# Altium PCB SAMA5D27-SOM1-MFG-03.PcbDoc (part 1 of 6)
Units mm, origin at the board's own origin, x right, y up, seen from the top; angles counter-clockwise.
Board outline 40.03 x 38.03 mm, 6 copper layers (TOP, GND, IN2, IN3, PWR, BOTTOM), stack 1.24 mm thick; 188 components, 224 nets, 901 pads, 644 vias.
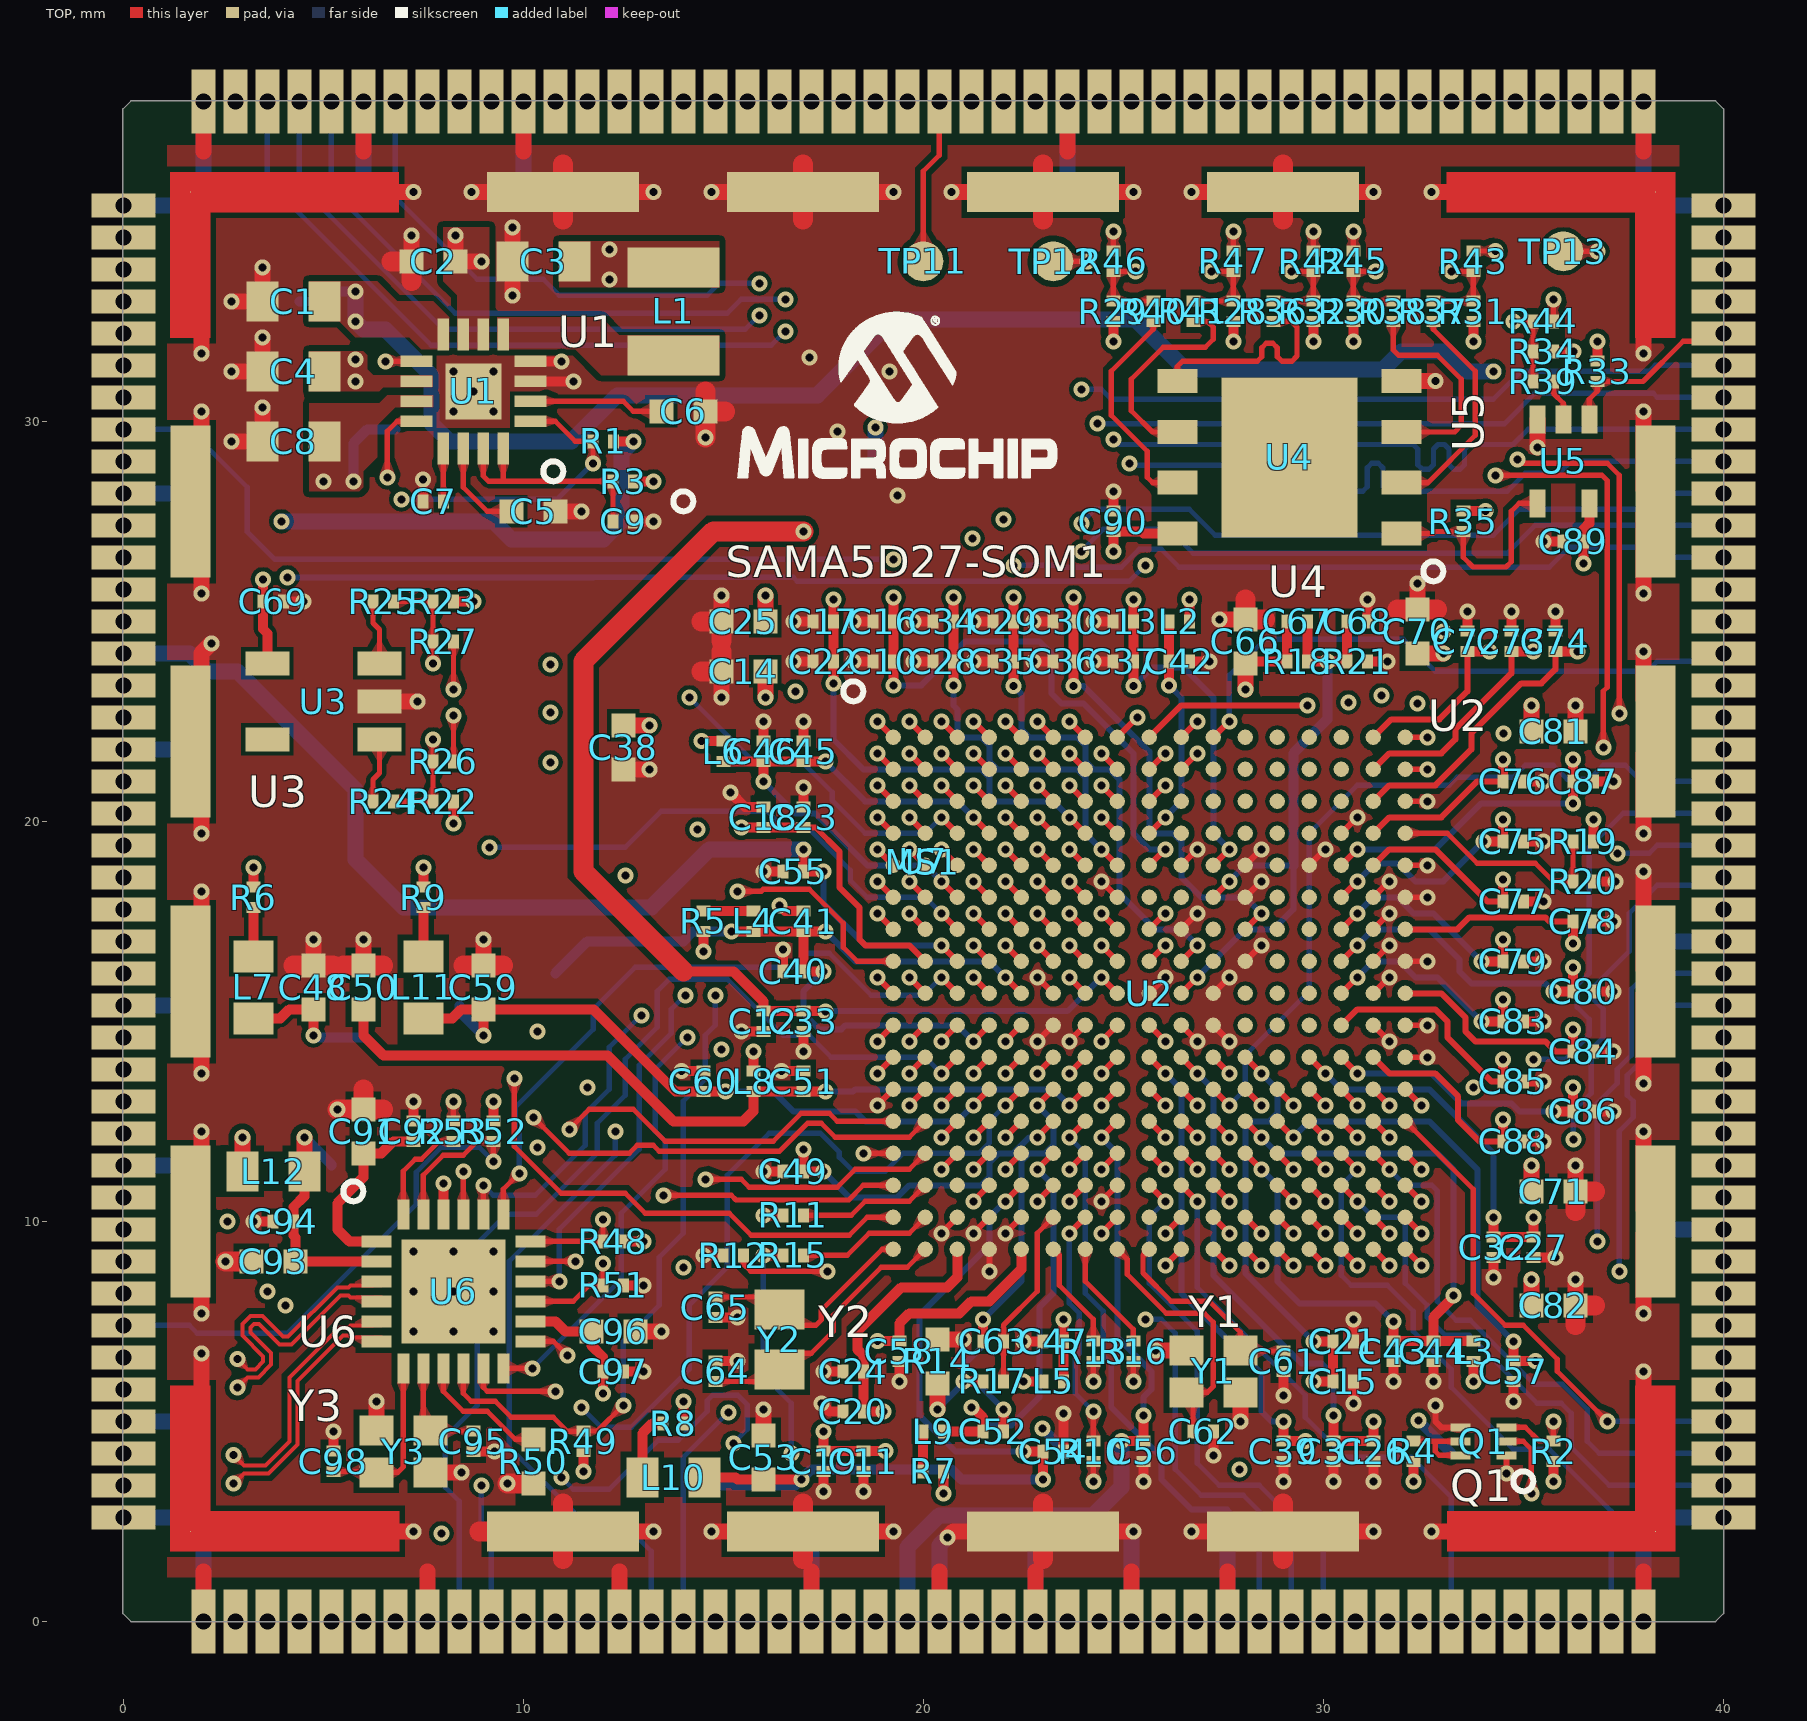
[diagram p0: TOP view]
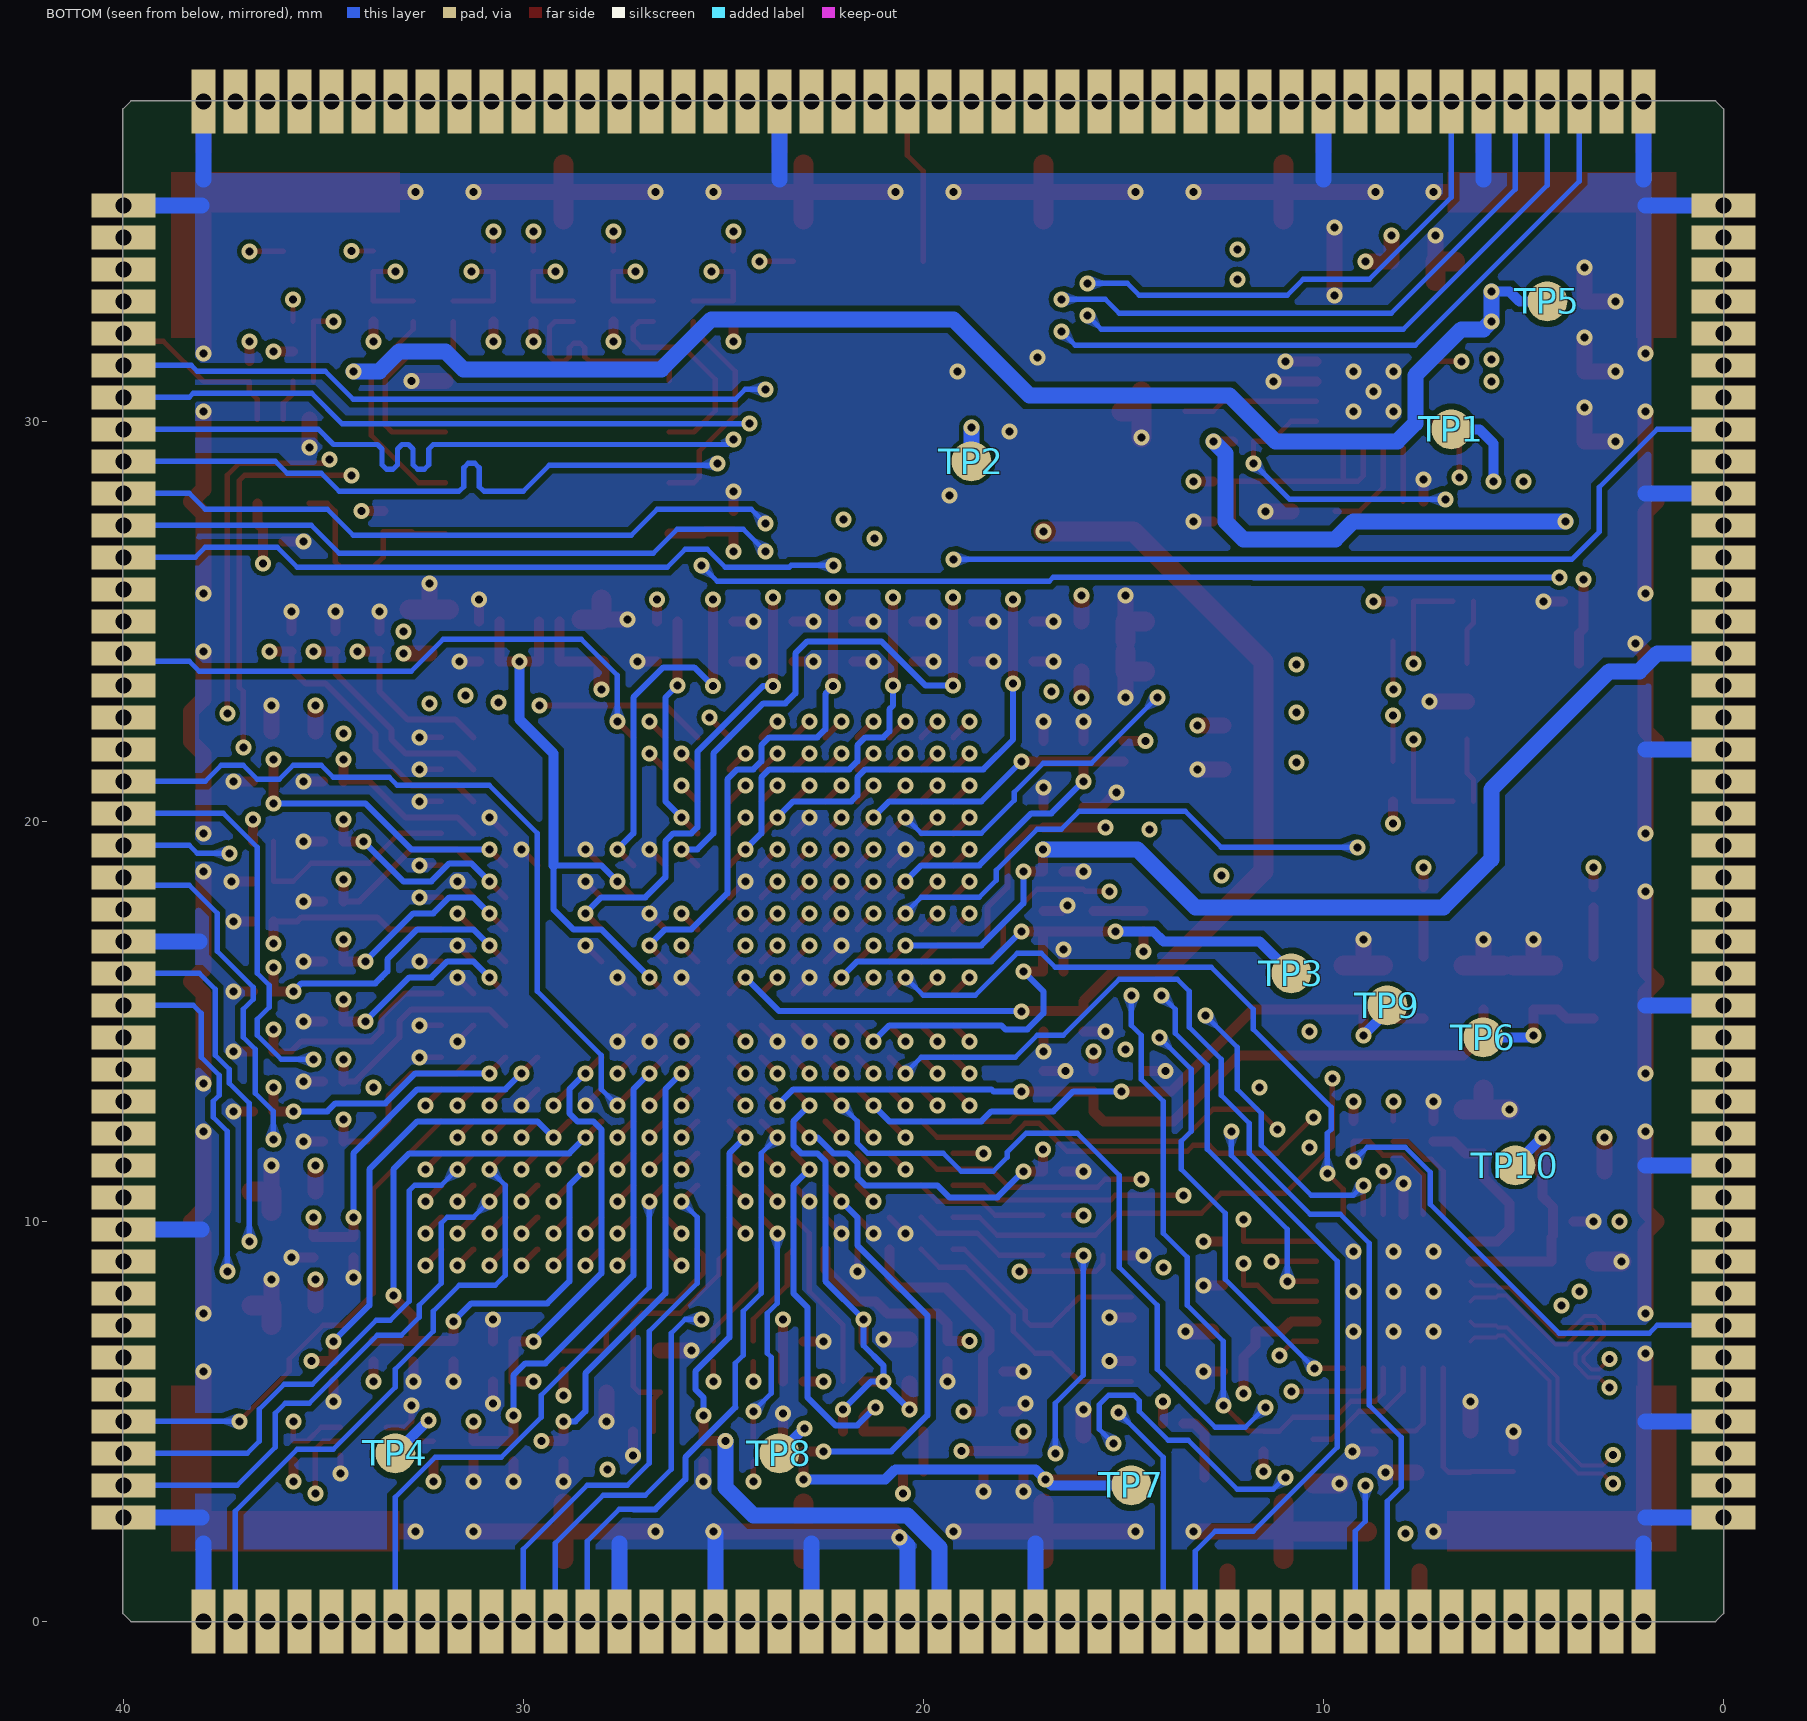
[diagram p1: BOTTOM view, seen from below]
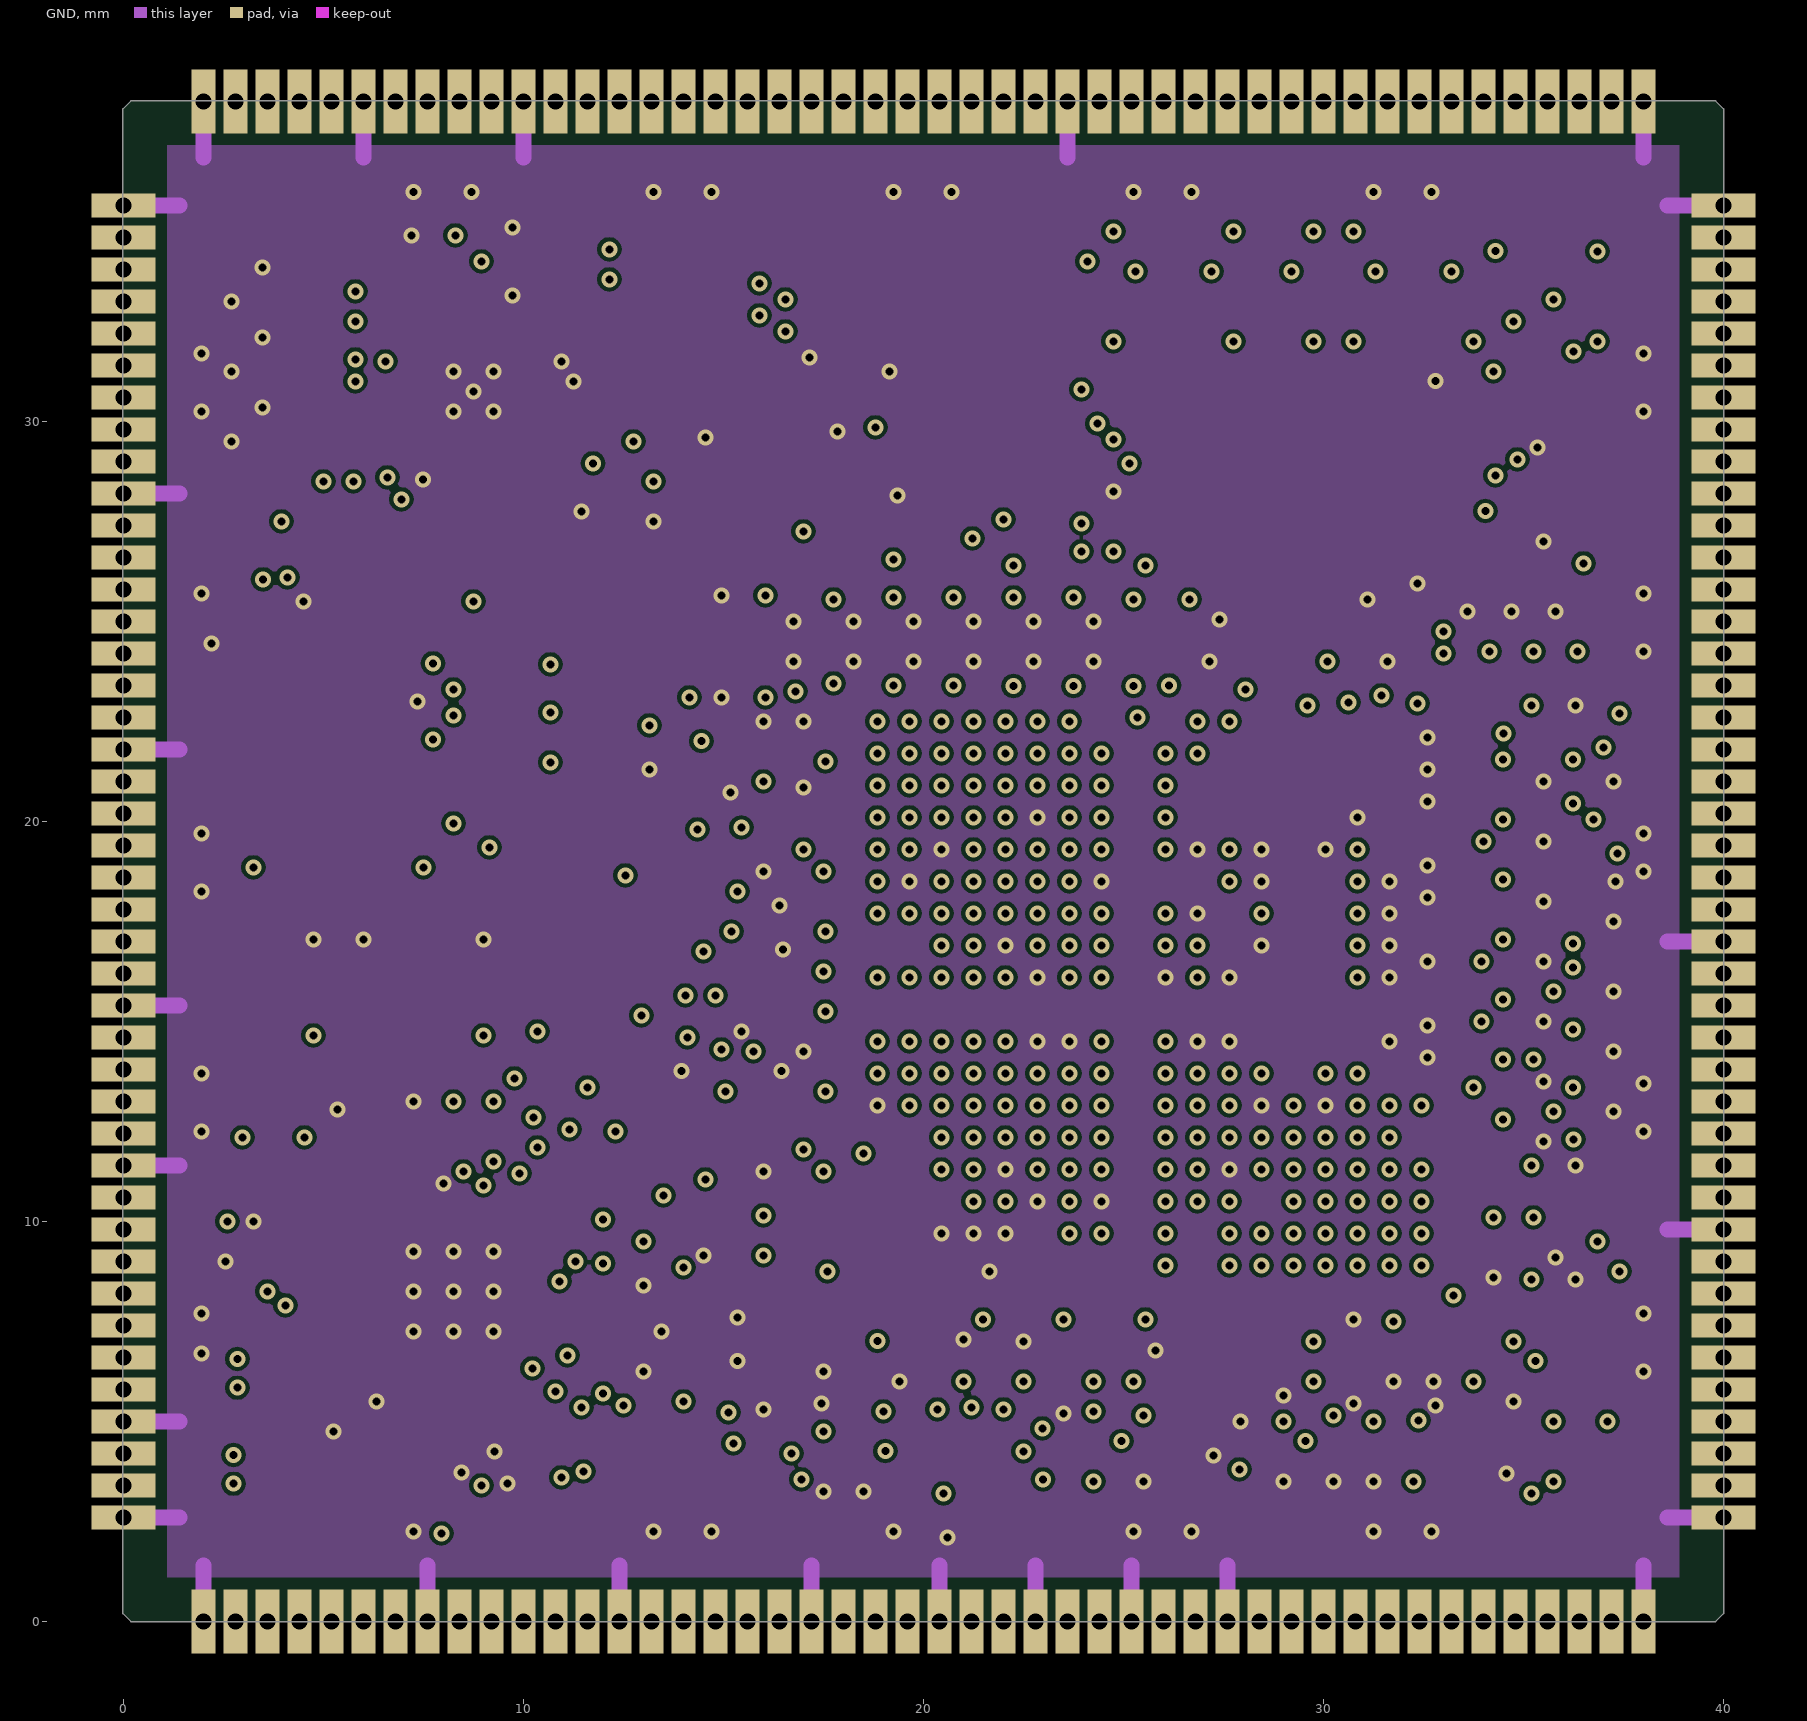
[diagram p2: GND]
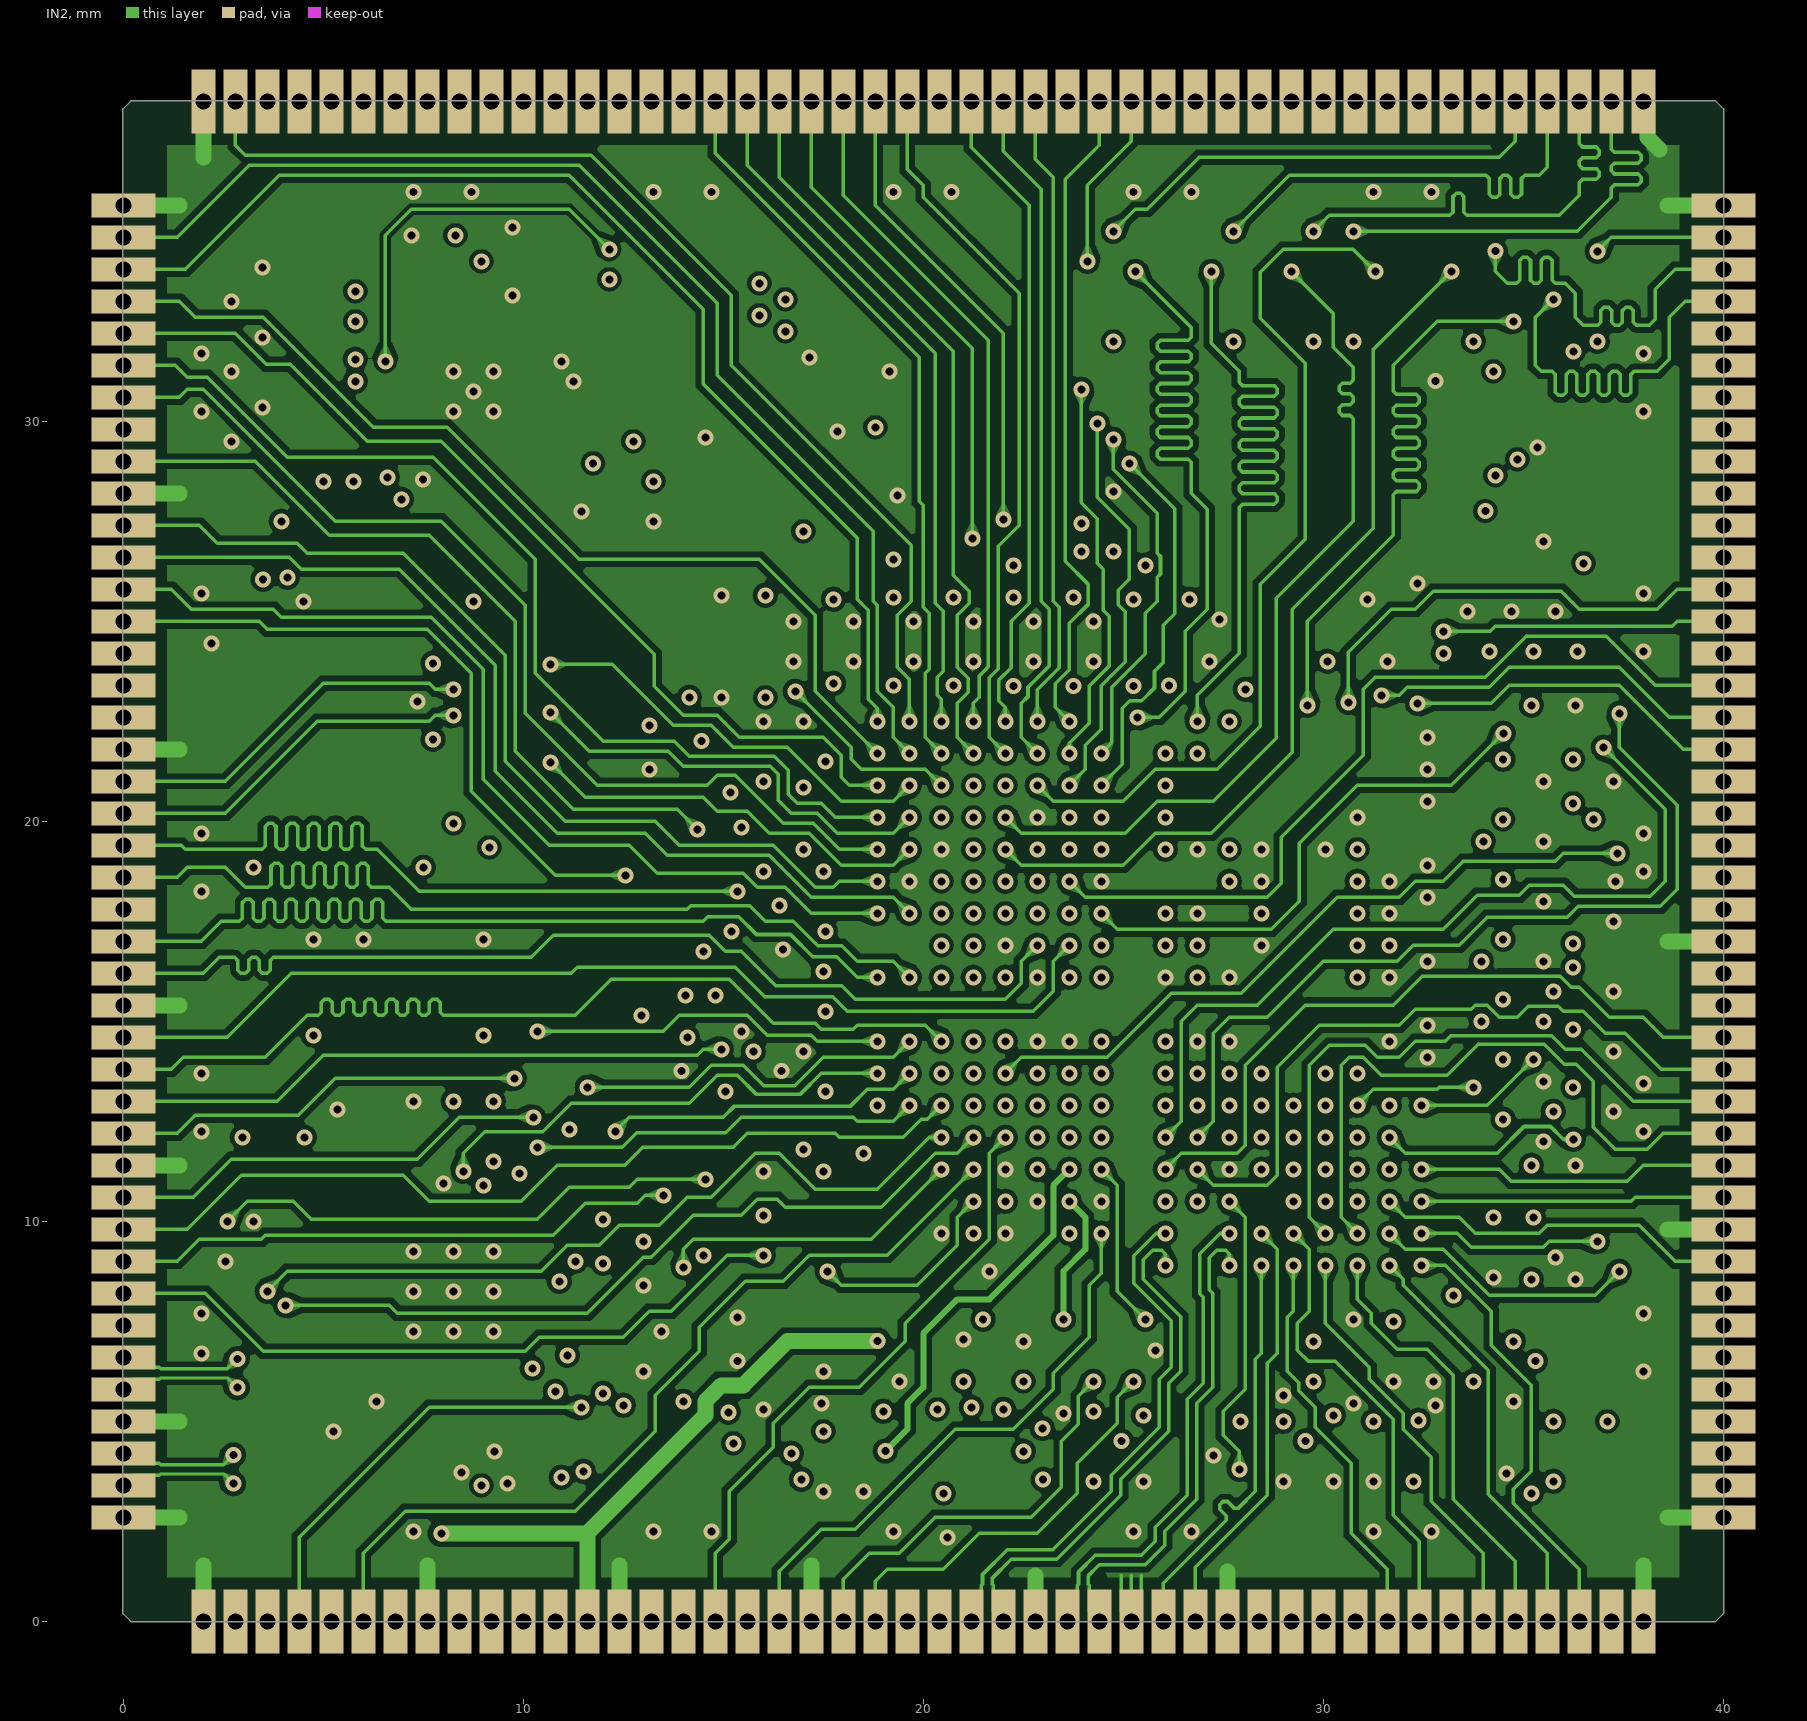
[diagram p3: IN2]